# Altium PCB amp.PcbDoc (part 12 of 20) (continued)
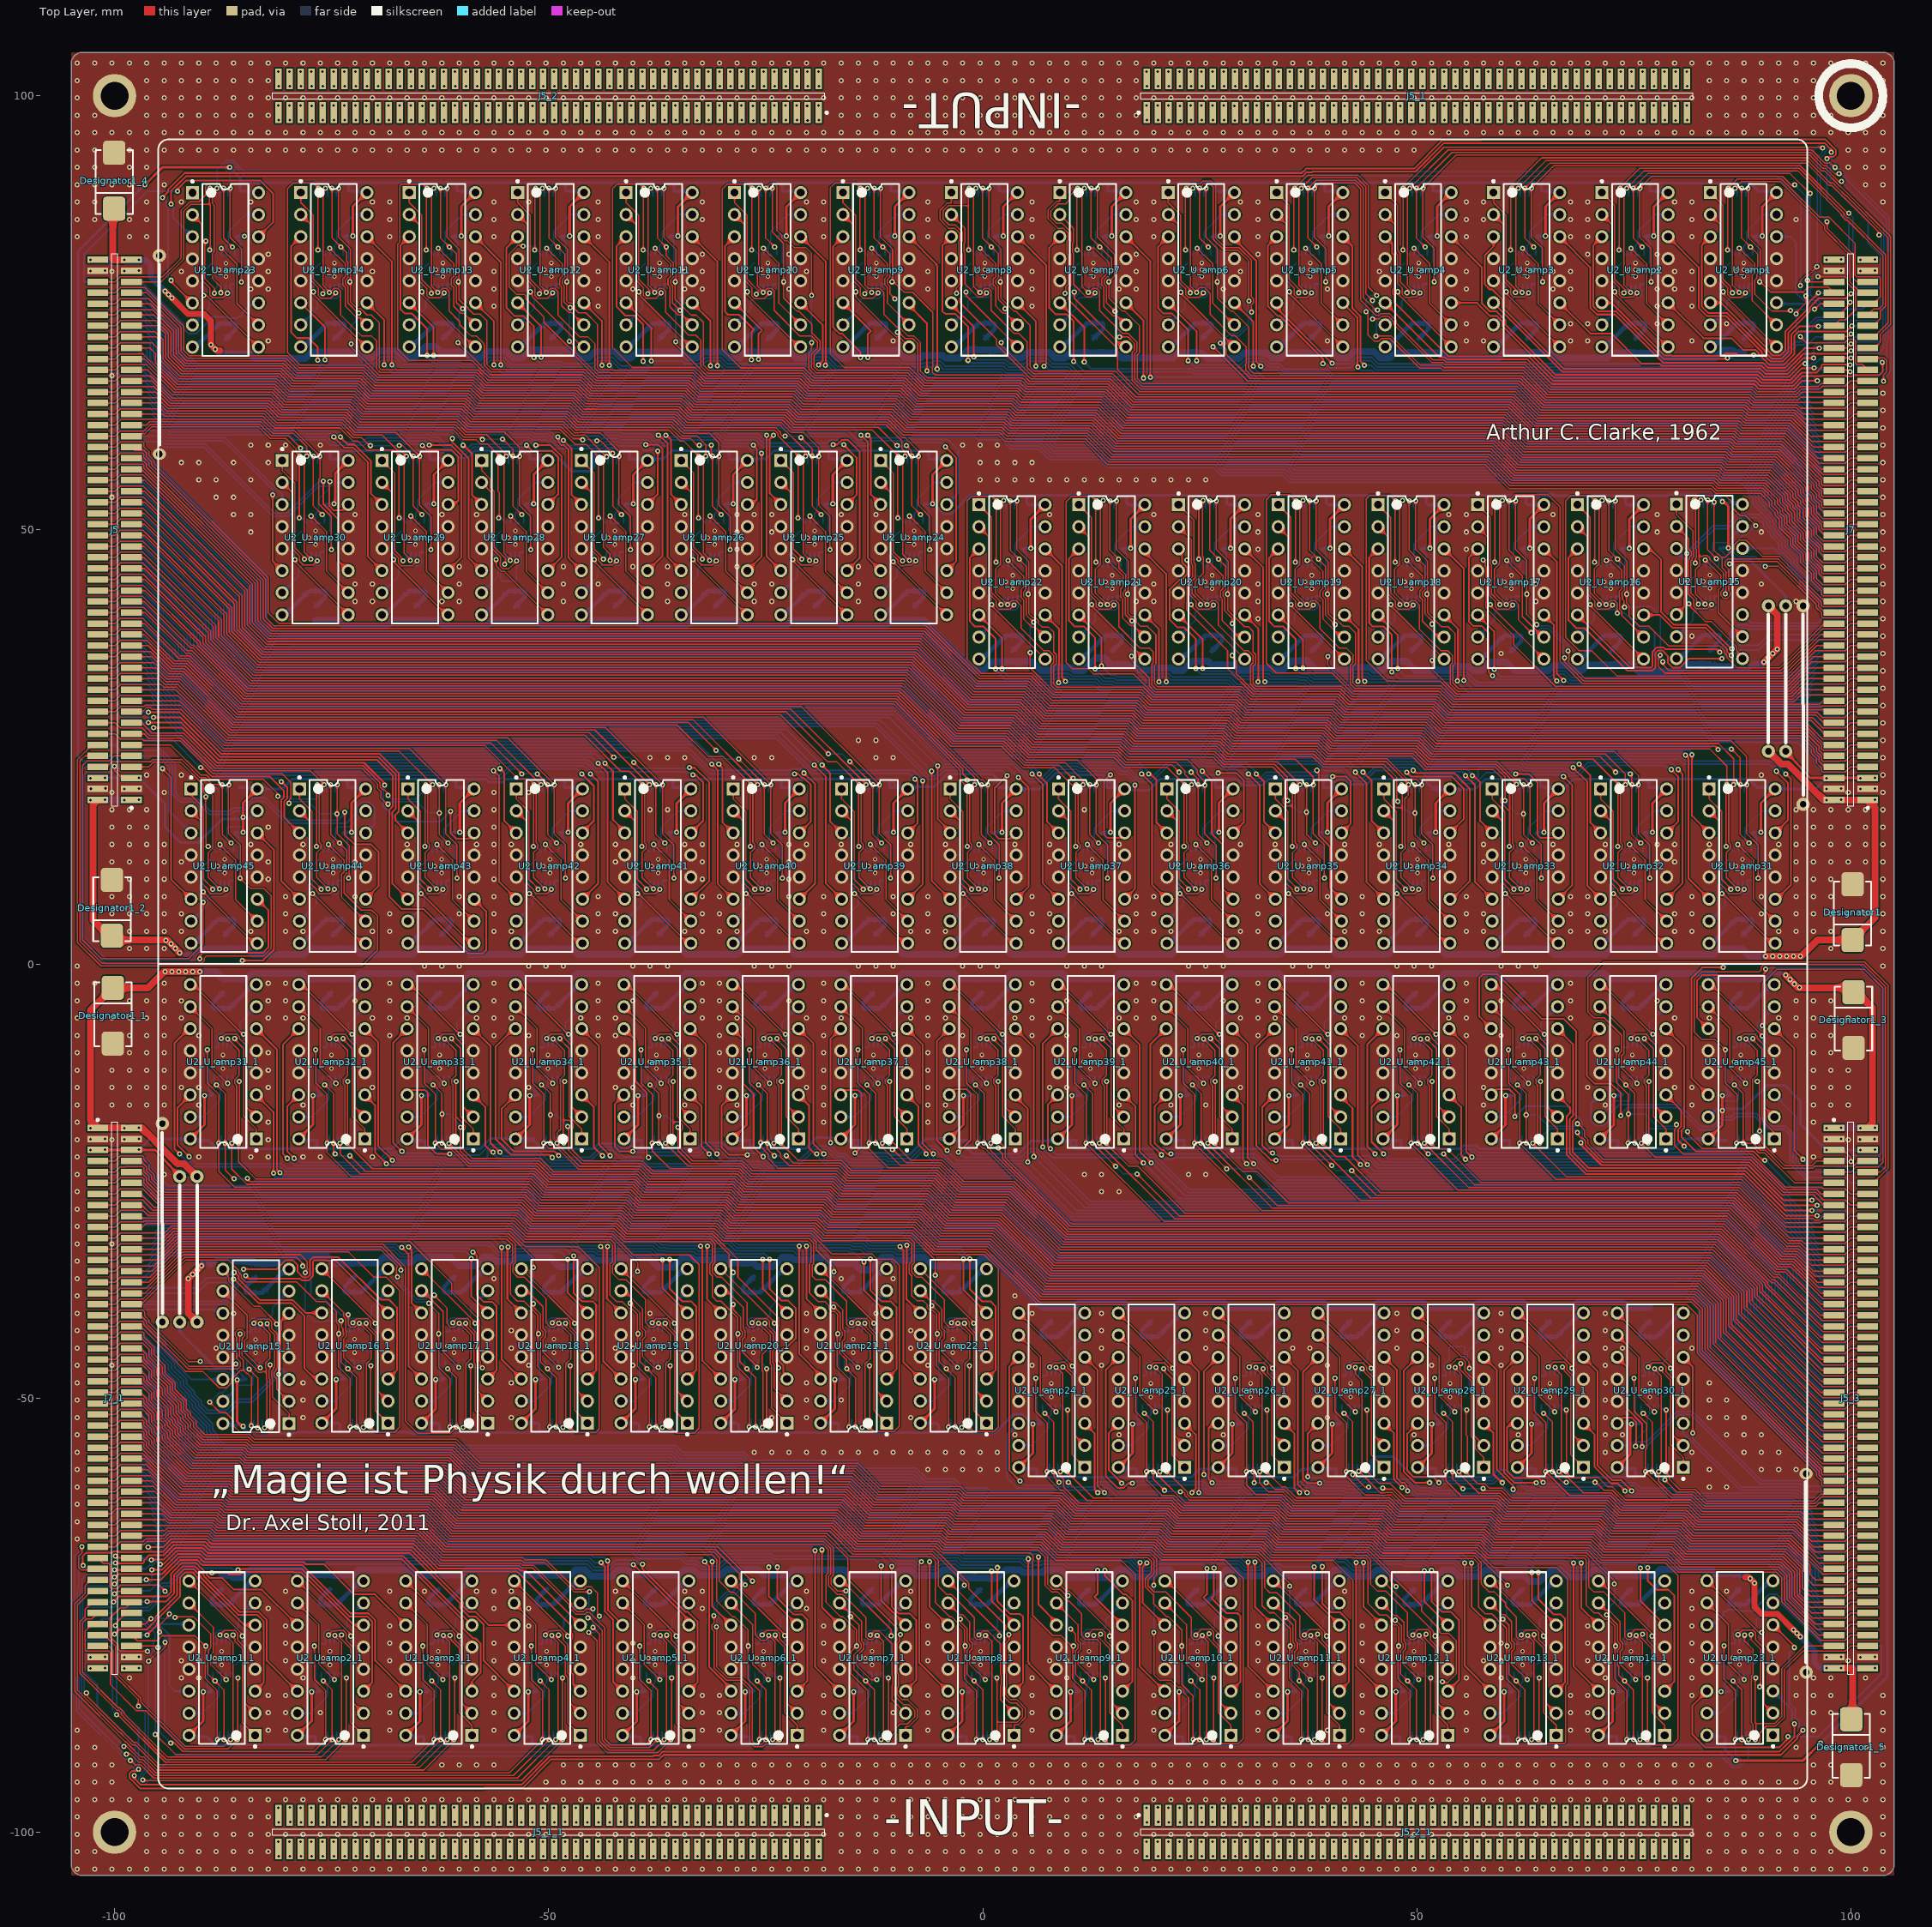
[diagram p0: Top Layer view]
## Nets (pads, with @x,y where several pads share a name; then routed paths per layer and width w, separated by ;. In a path a pad name is that pad's centre, name@x,y a point inside that pad or via, vN(x,y) a via of type N, cw(c..) or ccw(c..) an arc to the next point about the centre after c; other vN are vias at no path point) (continued)
NetJ7_21: J7.21 J7_1.21 R1_U_amp19.6 R1_U_amp19_1.6 U1_U_amp19.5 U1_U_amp19_1.5 | length 178.4
  Top Layer w0.15: J7_1.21@-101.95,-31.585 -99.938,-31.585 -99.343,-30.99 -94.233,-30.99 -93.43,-30.187 -54.225,-30.187 -52.699,-31.712 -42.889,-31.712 -42.335,-32.267 -42.335,-34.406 -42.635,-34.706 -42.635,-35.648 -41.885,-36.398 -41.072,-36.398 -38.869,-38.601 -38.869,-41.282 -38.299,-41.852 -37.864,-41.852 -37.39,-41.378 v1(-37.332,-41.378) -36.633,-42.076 -36.608,-42.076 -35.964,-42.721 -35.964,-45.49 -36.536,-46.063 -36.536,-53.043 -36.875,-53.382 v1(-36.875,-53.392) ; v1(36.875,53.392) 36.875,53.382 36.536,53.043 36.536,46.063 35.964,45.49 35.964,42.721 36.608,42.076 36.633,42.076 v1(37.332,41.378) 37.39,41.378 37.864,41.852 38.299,41.852 38.869,41.282 38.869,38.601 41.072,36.398 41.885,36.398 42.635,35.648 42.635,34.706 42.335,34.406 42.335,32.267 42.889,31.712 52.699,31.712 54.225,30.187 93.43,30.187 94.233,30.99 99.343,30.99 99.938,31.585 J7.21@101.95,31.585
  Bottom Layer w0.15: U1_U_amp19_1.5@-37.407,-42.345 -37.407,-41.453 v1(-37.332,-41.378) ; R1_U_amp19_1.6@-37.133,-52.495 -37.133,-53.105 -36.875,-53.363 v1(-36.875,-53.392) ; v1(36.875,53.392) 36.875,53.363 37.133,53.105 R1_U_amp19.6@37.133,52.495 ; v1(37.332,41.378) 37.407,41.453 U1_U_amp19.5@37.407,42.345
NetJ7_22: J7.22 J7_1.22 R1_U_amp19.8 R1_U_amp19_1.8 U1_U_amp19.1 U1_U_amp19_1.1 | length 163.9
  Top Layer w0.15: J7_1.22@-98.05,-31.585 -94.403,-31.585 -93.306,-30.487 -54.349,-30.487 -52.824,-32.012 -43.013,-32.012 -42.635,-32.391 -42.635,-34.282 -42.71,-34.357 -42.86,-34.507 -42.935,-34.582 -42.935,-38.142 -42.189,-38.887 -41.535,-38.887 -40.756,-39.666 -40.471,-39.666 -39.769,-40.368 -39.769,-42.522 v1(-39.694,-42.597) -39.769,-42.672 -39.769,-46.367 -38.383,-47.753 -38.383,-53.376 -38.402,-53.357 v1(-38.402,-53.34) ; v1(38.402,53.34) 38.402,53.357 38.383,53.376 38.383,47.753 39.769,46.367 39.769,42.672 v1(39.694,42.597) 39.769,42.522 39.769,40.368 40.471,39.666 40.756,39.666 41.535,38.887 42.189,38.887 42.935,38.142 42.935,34.582 42.86,34.507 42.71,34.357 42.635,34.282 42.635,32.391 43.013,32.012 52.824,32.012 54.349,30.487 93.306,30.487 94.403,31.585 J7.22@98.05,31.585
  Bottom Layer w0.15: v1(-39.694,-42.597) -39.694,-43.108 U1_U_amp19_1.1@-39.557,-43.245 ; v1(-38.402,-53.34) -38.402,-53.269 -38.133,-52.999 R1_U_amp19_1.8@-38.133,-52.495 ; R1_U_amp19.8@38.133,52.495 38.133,52.999 38.402,53.269 v1(38.402,53.34) ; U1_U_amp19.1@39.557,43.245 39.694,43.108 v1(39.694,42.597)
NetJ7_23: J7.23 J7_1.23 R1_U_amp18.5 R1_U_amp18_1.5 U1_U_amp18.9 U1_U_amp18_1.9 | length 184.2
  Top Layer w0.15: J7_1.23@-101.95,-32.855 -99.938,-32.855 -99.316,-32.233 -94.627,-32.233 -93.181,-30.787 -54.473,-30.787 -52.669,-32.592 -46.555,-32.592 -44.171,-34.976 -44.171,-53.569 -44.577,-53.975 -46.89,-53.975 -47.525,-53.34 -47.501,-53.316 v1(-47.501,-46.28) ; v1(47.501,46.28) 47.501,53.316 47.525,53.34 46.89,53.975 44.577,53.975 44.171,53.569 44.171,34.976 46.555,32.592 52.669,32.592 54.473,30.787 93.181,30.787 94.627,32.233 99.316,32.233 99.938,32.855 J7.23@101.95,32.855
  Bottom Layer w0.15: U1_U_amp18_1.9@-48.397,-45.645 -47.762,-46.28 v1(-47.501,-46.28) ; R1_U_amp18_1.5@-48.123,-52.495 -48.123,-52.847 -47.63,-53.34 v1(-47.581,-53.34) ; v1(47.501,46.28) 47.762,46.28 U1_U_amp18.9@48.397,45.645 ; v1(47.581,53.34) 47.63,53.34 48.123,52.847 R1_U_amp18.5@48.123,52.495
NetJ7_24: J7.24 J7_1.24 R1_U_amp18.7 R1_U_amp18_1.7 U1_U_amp18.13 U1_U_amp18_1.13 | length 142
  Top Layer w0.15: J7_1.24@-98.05,-32.855 -94.825,-32.855 -93.057,-31.087 -54.597,-31.087 -51.765,-33.919 v1(-51.765,-34.95) ; v1(-51.74,-39.141) -51.74,-39.53 -50.959,-40.311 -50.959,-42.08 -50.659,-42.38 -50.659,-42.815 -50.884,-43.04 -50.884,-43.053 -50.959,-43.128 -50.959,-45.819 v1(-50.143,-46.636) -49.127,-47.652 -49.13,-47.655 v1(-49.13,-53.34) ; v1(49.13,53.34) 49.13,47.655 49.127,47.652 v1(50.143,46.636) 50.959,45.819 50.959,43.128 50.884,43.053 50.884,43.04 50.659,42.815 50.659,42.38 50.959,42.08 50.959,40.311 51.74,39.53 v1(51.74,39.141) ; v1(51.765,34.95) 51.765,33.919 54.597,31.087 93.057,31.087 94.825,32.855 J7.24@98.05,32.855
  Bottom Layer w0.15: v1(-51.765,-34.95) -51.765,-39.116 v1(-51.74,-39.141) ; U1_U_amp18_1.13@-50.397,-45.645 -50.397,-46.382 v1(-50.143,-46.636) ; v1(-49.13,-53.34) -49.13,-53.381 -49.123,-53.388 R1_U_amp18_1.7@-49.123,-52.495 ; R1_U_amp18.7@49.123,52.495 49.123,53.388 49.13,53.381 v1(49.13,53.34) ; v1(50.143,46.636) 50.397,46.382 U1_U_amp18.13@50.397,45.645 ; v1(51.74,39.141) 51.765,39.116 v1(51.765,34.95)
NetJ7_25: J7.25 J7_1.25 R1_U_amp18.6 R1_U_amp18_1.6 U1_U_amp18.5 U1_U_amp18_1.5 | length 155.4
  Top Layer w0.15: J7_1.25@-101.95,-34.125 -99.938,-34.125 -99.343,-33.53 -95.076,-33.53 -92.933,-31.387 -54.722,-31.387 -53.848,-32.261 -53.848,-34.429 -54.125,-34.706 -54.125,-35.514 -53.554,-36.085 -52.789,-36.085 -50.292,-38.583 -50.292,-41.35 -49.789,-41.852 -49.355,-41.852 -48.88,-41.378 v1(-48.822,-41.378) -48.123,-42.076 -48.098,-42.076 -47.454,-42.721 -47.454,-45.49 -48.026,-46.063 -48.026,-53.043 -48.365,-53.382 v1(-48.365,-53.392) ; v1(48.365,53.392) 48.365,53.382 48.026,53.043 48.026,46.063 47.454,45.49 47.454,42.721 48.098,42.076 48.123,42.076 v1(48.822,41.378) 48.88,41.378 49.355,41.852 49.789,41.852 50.292,41.35 50.292,38.583 52.789,36.085 53.554,36.085 54.125,35.514 54.125,34.706 53.848,34.429 53.848,32.261 54.722,31.387 92.933,31.387 95.076,33.53 99.343,33.53 99.938,34.125 J7.25@101.95,34.125
  Bottom Layer w0.15: U1_U_amp18_1.5@-48.897,-42.345 -48.897,-41.453 v1(-48.822,-41.378) ; R1_U_amp18_1.6@-48.623,-52.495 -48.623,-53.105 -48.365,-53.363 v1(-48.365,-53.392) ; v1(48.365,53.392) 48.365,53.363 48.623,53.105 R1_U_amp18.6@48.623,52.495 ; v1(48.822,41.378) 48.897,41.453 U1_U_amp18.5@48.897,42.345
NetJ7_26: J7.26 J7_1.26 R1_U_amp18.8 R1_U_amp18_1.8 U1_U_amp18.1 U1_U_amp18_1.1 | length 140.8
  Top Layer w0.15: J7_1.26@-98.05,-34.125 -95.246,-34.125 -92.809,-31.687 -54.846,-31.687 -54.148,-32.385 -54.148,-32.82 -54.153,-32.825 -54.153,-34.31 -54.425,-34.582 -54.425,-38.031 -53.619,-38.837 -52.857,-38.837 -51.259,-40.435 -51.259,-42.522 v1(-51.184,-42.597) -51.259,-42.672 -51.259,-46.367 -49.873,-47.753 -49.873,-53.376 -49.892,-53.357 v1(-49.892,-53.34) ; v1(49.892,53.34) 49.892,53.357 49.873,53.376 49.873,47.753 51.259,46.367 51.259,42.672 v1(51.184,42.597) 51.259,42.522 51.259,40.435 52.857,38.837 53.619,38.837 54.425,38.031 54.425,34.582 54.153,34.31 54.153,32.825 54.148,32.82 54.148,32.385 54.846,31.687 92.809,31.687 95.246,34.125 J7.26@98.05,34.125
  Bottom Layer w0.15: v1(-51.184,-42.597) -51.184,-43.108 U1_U_amp18_1.1@-51.047,-43.245 ; v1(-49.892,-53.34) -49.892,-53.269 -49.623,-52.999 R1_U_amp18_1.8@-49.623,-52.495 ; R1_U_amp18.8@49.623,52.495 49.623,52.999 49.892,53.269 v1(49.892,53.34) ; U1_U_amp18.1@51.047,43.245 51.184,43.108 v1(51.184,42.597)
NetJ7_27: J7.27 J7_1.27 R1_U_amp17.5 R1_U_amp17_1.5 U1_U_amp17.9 U1_U_amp17_1.9 | length 132.6
  Top Layer w0.15: J7_1.27@-101.95,-35.395 -99.938,-35.395 -99.343,-34.8 -95.497,-34.8 -92.684,-31.987 -65.955,-31.987 -61.189,-36.754 -61.189,-37.795 -57.995,-40.989 -57.995,-41.151 -57.962,-41.185 -57.962,-41.619 -57.995,-41.653 -57.995,-45.686 -57.866,-45.814 -57.866,-46.401 -57.76,-46.507 v1(-57.633,-46.507) ; v1(-59.071,-53.34) -59.015,-53.34 -58.991,-53.316 v1(-58.991,-46.28) ; v1(57.633,46.507) 57.76,46.507 57.866,46.401 57.866,45.814 57.995,45.686 57.995,41.653 57.962,41.619 57.962,41.185 57.995,41.151 57.995,40.989 61.189,37.795 61.189,36.754 65.955,31.987 92.684,31.987 95.497,34.8 99.343,34.8 99.938,35.395 J7.27@101.95,35.395 ; v1(58.991,46.28) 58.991,53.316 59.015,53.34 v1(59.071,53.34)
  Bottom Layer w0.15: U1_U_amp17_1.9@-59.887,-45.645 -59.252,-46.28 v1(-58.991,-46.28) -58.764,-46.507 v1(-57.633,-46.507) ; R1_U_amp17_1.5@-59.613,-52.495 -59.613,-52.847 -59.12,-53.34 v1(-59.071,-53.34) ; v1(57.633,46.507) 58.764,46.507 v1(58.991,46.28) 59.252,46.28 U1_U_amp17.9@59.887,45.645 ; v1(59.071,53.34) 59.12,53.34 59.613,52.847 R1_U_amp17.5@59.613,52.495
NetJ7_28: J7.28 J7_1.28 R1_U_amp17.7 R1_U_amp17_1.7 U1_U_amp17.13 U1_U_amp17_1.13 | length 135.2
  Top Layer w0.15: J7_1.28@-98.05,-35.395 -95.668,-35.395 -92.56,-32.287 -69.106,-32.287 -66.48,-34.913 -66.48,-52.671 -65.1,-54.051 -61.332,-54.051 v1(-60.62,-53.34) -60.62,-47.655 -60.617,-47.652 v1(-61.633,-46.636) ; v1(61.633,46.636) 60.617,47.652 60.62,47.655 v1(60.62,53.34) 61.332,54.051 65.1,54.051 66.48,52.671 66.48,34.913 69.106,32.287 92.56,32.287 95.668,35.395 J7.28@98.05,35.395
  Bottom Layer w0.15: U1_U_amp17_1.13@-61.887,-45.645 -61.887,-46.382 v1(-61.633,-46.636) ; v1(-60.62,-53.34) -60.62,-53.381 -60.613,-53.388 R1_U_amp17_1.7@-60.613,-52.495 ; R1_U_amp17.7@60.613,52.495 60.613,53.388 60.62,53.381 v1(60.62,53.34) ; v1(61.633,46.636) 61.887,46.382 U1_U_amp17.13@61.887,45.645
NetJ7_29: J7.29 J7_1.29 R1_U_amp17.6 R1_U_amp17_1.6 U1_U_amp17.5 U1_U_amp17_1.5 | length 129.9
  Top Layer w0.15: J7_1.29@-101.95,-36.665 -99.938,-36.665 -99.343,-36.07 -95.919,-36.07 -92.436,-32.587 -69.23,-32.587 -67.005,-34.812 v1(-67.005,-35.255) ; v1(-63.195,-38.151) -61.697,-39.649 -61.697,-41.435 -61.28,-41.852 -60.845,-41.852 -60.371,-41.378 v1(-60.312,-41.378) -59.614,-42.076 -59.588,-42.076 -58.944,-42.721 -58.944,-45.49 -59.516,-46.063 -59.516,-53.043 -59.855,-53.382 v1(-59.855,-53.392) ; v1(59.855,53.392) 59.855,53.382 59.516,53.043 59.516,46.063 58.944,45.49 58.944,42.721 59.588,42.076 59.614,42.076 v1(60.312,41.378) 60.371,41.378 60.845,41.852 61.28,41.852 61.697,41.435 61.697,39.649 v1(63.195,38.151) ; v1(67.005,35.255) 67.005,34.812 69.23,32.587 92.436,32.587 95.919,36.07 99.343,36.07 99.938,36.665 J7.29@101.95,36.665
  Bottom Layer w0.15: v1(-67.005,-35.255) -66.912,-35.348 -66.912,-36.88 -65.167,-38.625 -64.236,-38.625 -63.762,-38.151 v1(-63.195,-38.151) ; U1_U_amp17_1.5@-60.387,-42.345 -60.387,-41.453 v1(-60.312,-41.378) ; R1_U_amp17_1.6@-60.113,-52.495 -60.113,-53.105 -59.855,-53.363 v1(-59.855,-53.392) ; v1(59.855,53.392) 59.855,53.363 60.113,53.105 R1_U_amp17.6@60.113,52.495 ; v1(60.312,41.378) 60.387,41.453 U1_U_amp17.5@60.387,42.345 ; v1(63.195,38.151) 63.762,38.151 64.236,38.625 65.167,38.625 66.912,36.88 66.912,35.348 v1(67.005,35.255)
NetJ7_30: J7.30 J7_1.30 R1_U_amp17.8 R1_U_amp17_1.8 U1_U_amp17.1 U1_U_amp17_1.1 | length 113.2
  Top Layer w0.15: J7_1.30@-98.05,-36.665 -96.089,-36.665 -92.311,-32.887 -69.354,-32.887 -67.458,-34.784 -67.458,-34.94 -67.53,-35.012 -67.53,-35.975 v1(-67.437,-36.068) ; v1(-63.83,-39.091) -62.674,-40.246 v1(-62.674,-42.597) -62.674,-46.442 -61.363,-47.753 -61.363,-53.376 -61.382,-53.357 v1(-61.382,-53.34) ; v1(61.382,53.34) 61.382,53.357 61.363,53.376 61.363,47.753 62.674,46.442 v1(62.674,42.597) 62.674,40.246 v1(63.83,39.091) ; v1(67.437,36.068) 67.53,35.975 67.53,35.012 67.458,34.94 67.458,34.784 69.354,32.887 92.311,32.887 96.089,36.665 J7.30@98.05,36.665
  Bottom Layer w0.15: v1(-67.437,-36.068) -67.437,-36.779 -65.291,-38.925 -64.112,-38.925 -64.099,-38.913 -64.008,-38.913 v1(-63.83,-39.091) ; v1(-62.674,-42.597) -62.674,-43.108 U1_U_amp17_1.1@-62.537,-43.245 ; v1(-61.382,-53.34) -61.382,-53.269 -61.113,-52.999 R1_U_amp17_1.8@-61.113,-52.495 ; R1_U_amp17.8@61.113,52.495 61.113,52.999 61.382,53.269 v1(61.382,53.34) ; U1_U_amp17.1@62.537,43.245 62.674,43.108 v1(62.674,42.597) ; v1(63.83,39.091) 64.008,38.913 64.099,38.913 64.112,38.925 65.291,38.925 67.437,36.779 v1(67.437,36.068)
NetJ7_31: J7.31 J7_1.31 R1_U_amp16.5 R1_U_amp16_1.5 U1_U_amp16.9 U1_U_amp16_1.9 | length 135
  Top Layer w0.15: J7_1.31@-101.95,-37.935 -99.938,-37.935 -99.343,-37.34 -96.34,-37.34 -92.187,-33.187 -73.036,-33.187 -70.138,-36.085 -68.69,-36.085 -67.158,-37.617 -67.158,-53.365 -67.742,-53.95 -69.896,-53.95 -70.506,-53.34 -70.482,-53.316 v1(-70.482,-46.28) ; v1(70.482,46.28) 70.482,53.316 70.506,53.34 69.896,53.95 67.742,53.95 67.158,53.365 67.158,37.617 68.69,36.085 70.138,36.085 73.036,33.187 92.187,33.187 96.34,37.34 99.343,37.34 99.938,37.935 J7.31@101.95,37.935
  Bottom Layer w0.15: U1_U_amp16_1.9@-71.377,-45.645 -70.742,-46.28 v1(-70.482,-46.28) ; R1_U_amp16_1.5@-71.103,-52.495 -71.103,-52.847 -70.61,-53.34 v1(-70.561,-53.34) ; v1(70.482,46.28) 70.742,46.28 U1_U_amp16.9@71.377,45.645 ; v1(70.561,53.34) 70.61,53.34 71.103,52.847 R1_U_amp16.5@71.103,52.495
NetJ7_32: J7.32 J7_1.32 R1_U_amp16.7 R1_U_amp16_1.7 U1_U_amp16.13 U1_U_amp16_1.13 | length 96.4
  Top Layer w0.15: J7_1.32@-98.05,-37.935 -96.511,-37.935 -92.063,-33.487 -78.597,-33.487 -77.805,-34.279 -77.805,-35.108 -78.054,-35.357 v1(-78.054,-35.56) ; v1(-73.914,-41.097) -73.865,-41.147 -73.865,-41.832 -73.689,-42.008 -73.689,-42.33 -73.64,-42.38 -73.64,-42.815 -73.927,-43.102 -73.927,-45.832 v1(-73.123,-46.636) -72.107,-47.652 -72.111,-47.655 v1(-72.111,-53.34) ; v1(72.111,53.34) 72.111,47.655 72.107,47.652 v1(73.123,46.636) 73.927,45.832 73.927,43.102 73.64,42.815 73.64,42.38 73.689,42.33 73.689,42.008 73.865,41.832 73.865,41.147 v1(73.914,41.097) ; v1(78.054,35.56) 78.054,35.357 77.805,35.108 77.805,34.279 78.597,33.487 92.063,33.487 96.511,37.935 J7.32@98.05,37.935
  Bottom Layer w0.15: v1(-78.054,-35.56) -78.054,-40.056 -76.945,-41.165 -75.726,-41.165 -75.633,-41.072 -75.608,-41.097 v1(-73.914,-41.097) ; U1_U_amp16_1.13@-73.377,-45.645 -73.377,-46.382 v1(-73.123,-46.636) ; v1(-72.111,-53.34) -72.111,-53.381 -72.103,-53.388 R1_U_amp16_1.7@-72.103,-52.495 ; R1_U_amp16.7@72.103,52.495 72.103,53.388 72.111,53.381 v1(72.111,53.34) ; v1(73.123,46.636) 73.377,46.382 U1_U_amp16.13@73.377,45.645 ; v1(73.914,41.097) 75.608,41.097 75.633,41.072 75.726,41.165 76.945,41.165 78.054,40.056 v1(78.054,35.56)
NetJ7_33: J7.33 J7_1.33 R1_U_amp16.6 R1_U_amp16_1.6 U1_U_amp16.5 U1_U_amp16_1.5 | length 107.5
  Top Layer w0.15: J7_1.33@-101.95,-39.205 -99.938,-39.205 -99.343,-38.61 -96.761,-38.61 -91.939,-33.787 -79.04,-33.787 -78.232,-34.595 v1@-78.435,-34.798 ; v1@-78.486,-34.849 v1@-78.435,-34.798 ; v1(-78.334,-34.798) v1@-78.435,-34.798 ; v1(-73.101,-40.386) -73.077,-40.41 -73.077,-41.545 -72.77,-41.852 -72.335,-41.852 -71.861,-41.378 v1(-71.802,-41.378) -71.104,-42.076 -71.078,-42.076 -70.434,-42.721 -70.434,-45.49 -71.007,-46.063 -71.007,-53.043 -71.345,-53.382 v1(-71.345,-53.392) ; v1(71.345,53.392) 71.345,53.382 71.007,53.043 71.007,46.063 70.434,45.49 70.434,42.721 71.078,42.076 71.104,42.076 v1(71.802,41.378) 71.861,41.378 72.335,41.852 72.77,41.852 73.077,41.545 73.077,40.41 v1(73.101,40.386) ; v1(78.334,34.798) v1@78.435,34.798 ; v1@78.486,34.849 v1@78.435,34.798 ; J7.33@101.95,39.205 99.938,39.205 99.343,38.61 96.761,38.61 91.939,33.787 79.04,33.787 78.232,34.595 v1@78.435,34.798
  Bottom Layer w0.15: v1(-78.334,-34.798) -78.277,-34.798 -78.04,-35.035 -77.837,-35.035 -77.394,-35.478 -77.394,-38.252 -77.021,-38.625 -75.751,-38.625 -73.914,-40.462 -73.838,-40.386 v1(-73.101,-40.386) ; U1_U_amp16_1.5@-71.877,-42.345 -71.877,-41.453 v1(-71.802,-41.378) ; R1_U_amp16_1.6@-71.603,-52.495 -71.603,-53.105 -71.345,-53.363 v1(-71.345,-53.392) ; v1(71.345,53.392) 71.345,53.363 71.603,53.105 R1_U_amp16.6@71.603,52.495 ; v1(71.802,41.378) 71.877,41.453 U1_U_amp16.5@71.877,42.345 ; v1(73.101,40.386) 73.838,40.386 73.914,40.462 75.751,38.625 77.021,38.625 77.394,38.252 77.394,35.478 77.837,35.035 78.04,35.035 78.277,34.798 v1(78.334,34.798)
NetJ7_34: J7.34 J7_1.34 R1_U_amp16.8 R1_U_amp16_1.8 U1_U_amp16.1 U1_U_amp16_1.1 | length 88.4
  Top Layer w0.15: J7_1.34@-98.05,-39.205 -96.932,-39.205 -91.814,-34.087 -86.938,-34.087 -85.708,-35.317 -85.708,-35.526 -85.412,-35.822 -85.412,-36.133 -84.943,-36.601 -79.045,-36.601 -76.759,-38.887 -75.667,-38.887 -74.439,-40.115 -74.439,-41.315 -74.165,-41.589 v1(-74.165,-42.597) -74.227,-42.66 -74.227,-46.379 -72.853,-47.753 -72.853,-53.376 -72.873,-53.357 v1(-72.873,-53.34) ; v1(72.873,53.34) 72.873,53.357 72.853,53.376 72.853,47.753 74.227,46.379 74.227,42.66 v1(74.165,42.597) 74.165,41.589 74.439,41.315 74.439,40.115 75.667,38.887 76.759,38.887 79.045,36.601 84.943,36.601 85.412,36.133 85.412,35.822 85.708,35.526 85.708,35.317 86.938,34.087 91.814,34.087 96.932,39.205 J7.34@98.05,39.205
  Bottom Layer w0.15: v1(-74.165,-42.597) -74.165,-43.108 U1_U_amp16_1.1@-74.027,-43.245 ; v1(-72.873,-53.34) -72.873,-53.269 -72.603,-52.999 R1_U_amp16_1.8@-72.603,-52.495 ; R1_U_amp16.8@72.603,52.495 72.603,52.999 72.873,53.269 v1(72.873,53.34) ; U1_U_amp16.1@74.027,43.245 74.165,43.108 v1(74.165,42.597)
NetJ7_35: J7.35 J7_1.35 pad.2@-94.5,-41.25 R1_U_amp15.5 R1_U_amp15_1.5 U1_U_amp15.9 U1_U_amp15_1.9 | length 84.7
  Top Layer w0.15: J7_1.35@-101.95,-40.475 -99.938,-40.475 -99.343,-39.88 -96.757,-39.88 -96.522,-40.115 -96.522,-40.536 -96.025,-41.033 -96.025,-41.302 -91.531,-45.796 v1(-90.145,-45.796) ; v1(-89.052,-50.47) -87.884,-51.638 -87.249,-51.638 -86.36,-52.527 -86.36,-53.137 -85.601,-53.895 -83.788,-53.895 -83.723,-53.961 -82.481,-53.961 v1(-81.956,-53.436) -81.88,-53.359 -82.127,-53.112 -82.127,-47.842 -82.227,-47.743 -82.227,-46.811 -82.102,-46.686 v1(-82.102,-46.177) ; v1(82.102,46.177) 82.102,46.686 82.227,46.811 82.227,47.743 82.127,47.842 82.127,53.112 81.88,53.359 v1(81.956,53.436) 82.481,53.961 83.723,53.961 83.788,53.895 85.601,53.895 86.36,53.137 86.36,52.527 87.249,51.638 87.884,51.638 v1(89.052,50.47) ; v1(90.145,45.796) 91.658,45.796 95.992,41.463 95.992,41.067 96.621,40.437 96.621,40.016 96.757,39.88 99.343,39.88 99.938,40.475 J7.35@101.95,40.475
  Bottom Layer w0.15: v1(-90.145,-45.796) -89.062,-46.879 -87.125,-46.879 -86.886,-47.117 -86.792,-47.117 -86.538,-47.371 -86.538,-48.362 -87.595,-49.419 -87.932,-49.419 -88.704,-50.19 -88.773,-50.19 v1(-89.052,-50.47) ; U1_U_amp15_1.9@-82.775,-45.689 -82.14,-46.324 -82.102,-46.285 v1(-82.102,-46.177) ; R1_U_amp15_1.5@-82.501,-52.539 -82.501,-52.89 v1(-81.956,-53.436) ; v1(81.956,53.436) 82.501,52.89 R1_U_amp15.5@82.501,52.539 ; v1(82.102,46.177) 82.102,46.285 82.14,46.324 U1_U_amp15.9@82.775,45.689 ; v1(89.052,50.47) 88.773,50.19 88.704,50.19 87.932,49.419 87.595,49.419 86.538,48.362 86.538,47.371 86.792,47.117 86.886,47.117 87.125,46.879 89.062,46.879 v1(90.145,45.796)
NetJ7_36: J7.36 J7_1.36 R1_U_amp15.7 R1_U_amp15_1.7 U1_U_amp15.13 U1_U_amp15_1.13 | length 51.6
  Top Layer w0.15: J7_1.36@-98.05,-40.475 -98.009,-40.516 J7_1.36@-97.048,-40.516 ; J7_1.36@-97.265,-40.733 J7_1.36@-97.048,-40.516 ; v1(-86.03,-46.101) -86.258,-46.33 -91.422,-46.33 -96.325,-41.427 -96.325,-41.158 -96.967,-40.516 J7_1.36@-97.048,-40.516 ; v1(-84.521,-46.679) -83.505,-47.695 v1(-83.505,-53.436) ; v1(83.505,53.436) 83.505,47.695 v1(84.521,46.679) ; v1(86.03,46.101) 86.258,46.33 91.549,46.33 96.292,41.587 96.292,41.191 96.843,40.64 97.282,40.64 97.447,40.475 J7.36@98.05,40.475
  Bottom Layer w0.15: v1(-86.03,-46.101) -85.452,-46.679 v1(-84.521,-46.679) -84.775,-46.425 U1_U_amp15_1.13@-84.775,-45.689 ; v1(-83.505,-53.436) -83.501,-53.432 R1_U_amp15_1.7@-83.501,-52.539 ; R1_U_amp15.7@83.501,52.539 83.501,53.432 v1(83.505,53.436) ; U1_U_amp15.13@84.775,45.689 84.775,46.425 v1(84.521,46.679) 85.452,46.679 v1(86.03,46.101)
NetJ7_37: J7.37 J7_1.37 R1_U_amp15.6 R1_U_amp15_1.6 U1_U_amp15.5 U1_U_amp15_1.5 | length 92.2
  Top Layer w0.15: J7_1.37@-101.95,-41.745 -99.938,-41.745 -99.343,-41.15 -96.757,-41.15 -96.625,-41.282 -96.625,-41.551 -91.546,-46.63 -85.816,-46.63 -85.505,-46.318 -85.505,-45.884 -85.938,-45.451 -85.938,-43.008 -86.088,-42.858 -86.088,-42.423 -85.78,-42.116 -85.345,-42.116 -85.038,-42.423 -85.038,-42.858 -85.263,-43.083 -85.263,-43.205 -85.338,-43.28 -85.338,-45.04 -83.76,-46.618 -83.76,-46.744 -83.453,-47.052 -83.018,-47.052 -82.931,-46.965 -82.527,-46.965 ; v1@-83.201,-41.396 v1(-83.201,-41.421) -83.201,-41.527 -82.102,-42.626 -82.102,-45.434 -82.627,-45.959 -82.627,-46.52 -82.527,-46.62 -82.527,-46.965 ; v1(-82.743,-53.436) -82.464,-53.156 -82.464,-47.93 -82.527,-47.867 -82.527,-46.965 ; v1(82.743,53.436) 82.464,53.156 82.464,47.93 82.527,47.867 82.527,46.965 ; v1@83.201,41.396 v1(83.201,41.421) 83.201,41.527 82.102,42.626 82.102,45.434 82.627,45.959 82.627,46.52 82.527,46.62 82.527,46.965 ; J7.37@101.95,41.745 99.938,41.745 99.343,41.15 96.757,41.15 96.592,41.315 96.592,41.711 91.673,46.63 85.816,46.63 85.505,46.318 85.505,45.884 85.938,45.451 85.938,43.008 86.088,42.858 86.088,42.423 85.78,42.116 85.345,42.116 85.038,42.423 85.038,42.858 85.263,43.083 85.263,43.205 85.338,43.28 85.338,45.04 83.76,46.618 83.76,46.744 83.453,47.052 83.018,47.052 82.931,46.965 82.527,46.965
  Bottom Layer w0.15: U1_U_amp15_1.5@-83.275,-42.389 -83.275,-41.496 v1(-83.201,-41.421) ; R1_U_amp15_1.6@-83.001,-52.539 -83.001,-53.178 v1(-82.743,-53.436) ; v1(82.743,53.436) 83.001,53.178 R1_U_amp15.6@83.001,52.539 ; v1(83.201,41.421) 83.275,41.496 U1_U_amp15.5@83.275,42.389
NetJ7_38: J7.38 J7_1.38 R1_U_amp15.8 R1_U_amp15_1.8 U1_U_amp15.1 U1_U_amp15_1.1 | length 60.7
  Top Layer w0.15: J7_1.38@-98.05,-41.745 -97.008,-41.745 -91.823,-46.93 -89.831,-46.93 -87.932,-48.829 -87.125,-48.829 -86.553,-48.257 -86.553,-47.842 -85.575,-46.863 -85.192,-46.863 -85.192,-46.751 ; v1(-85.563,-42.641) -85.638,-42.716 -85.638,-45.165 -85.192,-45.611 -85.192,-46.751 ; v1(-84.277,-53.188) -84.277,-53.394 -84.251,-53.42 -84.251,-47.6 -84.647,-47.204 -84.739,-47.204 -85.192,-46.751 ; v1(84.277,53.188) 84.277,53.394 84.251,53.42 84.251,47.6 84.647,47.204 84.739,47.204 85.192,46.751 ; v1(85.563,42.641) 85.638,42.716 85.638,45.165 85.192,45.611 85.192,46.751 ; J7.38@98.05,41.745 97.008,41.745 91.823,46.93 89.831,46.93 87.932,48.829 87.125,48.829 86.553,48.257 86.553,47.842 85.575,46.863 85.192,46.863 85.192,46.751
  Bottom Layer w0.15: v1(-85.563,-42.641) -85.563,-43.151 U1_U_amp15_1.1@-85.425,-43.289 ; v1(-84.277,-53.188) -84.277,-53.299 -84.267,-53.309 -84.001,-53.043 R1_U_amp15_1.8@-84.001,-52.539 ; R1_U_amp15.8@84.001,52.539 84.001,53.043 84.267,53.309 84.277,53.299 v1(84.277,53.188) ; U1_U_amp15.1@85.425,43.289 85.563,43.151 v1(85.563,42.641)
NetJ7_39: J7.39 J7_1.39 R1_U_amp14.5 R1_U_amp14_1.5 U1_U_amp14.9 U1_U_amp14_1.9 | length 458
  Top Layer w0.15: J7_1.39@-101.95,-43.015 -99.938,-43.015 -99.343,-42.42 -96.757,-42.42 -96.625,-42.552 -96.625,-42.973 -95.425,-44.173 -95.425,-45.016 -94.225,-46.216 -94.225,-47.059 -93.025,-48.259 -93.025,-49.021 -91.732,-50.314 -91.732,-51.238 -91.225,-51.745 -91.225,-52.053 -90.625,-52.653 -90.625,-53.188 -89.618,-54.195 -84.451,-54.195 -83.884,-54.762 -60.612,-54.762 -57.851,-57.523 -14.384,-57.523 -11.706,-60.201 -2.541,-60.201 -1.833,-60.908 9.104,-60.908 10.898,-62.702 21.411,-62.702 22.552,-63.843 33.383,-63.843 34.642,-65.102 44.069,-65.102 44.077,-65.111 45.425,-65.111 46.676,-66.361 57.374,-66.361 58.54,-67.528 69.664,-67.528 71.097,-68.961 78.613,-68.961 80.086,-70.434 80.086,-89.306 79.426,-89.967 77.119,-89.967 v1(76.505,-89.352) 76.581,-89.276 v1(76.581,-82.24) ; v1(-76.581,82.24) -76.581,89.276 v1(-76.505,89.352) -77.119,89.967 -79.426,89.967 -80.086,89.306 -80.086,70.434 -78.613,68.961 -71.097,68.961 -69.664,67.528 -58.54,67.528 -57.374,66.361 -46.676,66.361 -45.425,65.111 -44.077,65.111 -44.069,65.102 -34.642,65.102 -33.383,63.843 -22.552,63.843 -21.411,62.702 -10.898,62.702 -9.104,60.908 1.833,60.908 2.541,60.201 11.706,60.201 14.384,57.523 57.851,57.523 60.612,54.762 83.884,54.762 84.451,54.195 89.618,54.195 90.625,53.188 90.625,52.653 91.225,52.053 91.225,51.745 91.732,51.238 91.732,50.314 93.025,49.021 93.025,48.259 94.225,47.059 94.225,46.216 95.425,45.016 95.425,44.173 96.625,42.973 96.625,42.552 96.757,42.42 99.343,42.42 99.938,43.015 J7.39@101.95,43.015
  Bottom Layer w0.15: v1(-76.581,82.24) -76.32,82.24 U1_U_amp14.9@-75.685,81.605 ; v1(-76.505,89.352) -75.959,88.807 R1_U_amp14.5@-75.959,88.455 ; U1_U_amp14_1.9@75.685,-81.605 76.32,-82.24 v1(76.581,-82.24) ; R1_U_amp14_1.5@75.959,-88.455 75.959,-88.807 v1(76.505,-89.352)
NetJ7_40: J7.40 J7_1.40 R1_U_amp14.7 R1_U_amp14_1.7 U1_U_amp14.13 U1_U_amp14_1.13 | length 414.2
  Top Layer w0.15: J7_1.40@-98.05,-43.015 -97.008,-43.015 -95.725,-44.298 -95.725,-45.14 -94.525,-46.34 -94.525,-47.183 -93.325,-48.383 -93.325,-49.146 -92.032,-50.438 -92.032,-51.362 -91.525,-51.869 -91.525,-52.177 -90.925,-52.777 -90.925,-53.312 -89.742,-54.495 -84.575,-54.495 -83.996,-55.074 -60.724,-55.074 -57.976,-57.823 -14.508,-57.823 -11.83,-60.501 -2.665,-60.501 -1.957,-61.208 8.98,-61.208 10.774,-63.002 21.287,-63.002 22.428,-64.143 33.259,-64.143 34.518,-65.402 43.945,-65.402 43.953,-65.411 45.3,-65.411 46.551,-66.661 57.249,-66.661 58.416,-67.828 69.54,-67.828 72.771,-71.059 v1(72.771,-71.399) ; v1(-74.955,89.352) -74.955,83.612 v1(-73.939,82.596) -73.279,81.936 -73.279,80.921 -73.123,80.765 -73.123,79.075 -73.423,78.775 -73.423,78.34 -73.123,78.04 -73.123,76.128 -71.951,74.955 v1(-71.882,74.955) ; v1(-72.771,71.399) -72.771,71.059 -69.54,67.828 -58.416,67.828 -57.249,66.661 -46.551,66.661 -45.3,65.411 -43.953,65.411 -43.945,65.402 -34.518,65.402 -33.259,64.143 -22.428,64.143 -21.287,63.002 -10.774,63.002 -8.98,61.208 1.957,61.208 2.665,60.501 11.83,60.501 14.508,57.823 57.976,57.823 60.724,55.074 83.996,55.074 84.575,54.495 89.742,54.495 90.925,53.312 90.925,52.777 91.525,52.177 91.525,51.869 92.032,51.362 92.032,50.438 93.325,49.146 93.325,48.383 94.525,47.183 94.525,46.34 95.725,45.14 95.725,44.298 97.008,43.015 J7.40@98.05,43.015 ; v1(71.882,-74.955) 71.951,-74.955 73.123,-76.128 73.123,-78.04 73.423,-78.34 73.423,-78.775 73.123,-79.075 73.123,-80.765 73.279,-80.921 73.279,-81.936 v1(73.939,-82.596) 74.955,-83.612 v1(74.955,-89.352)
  Bottom Layer w0.15: R1_U_amp14.7@-74.959,88.455 -74.959,89.348 v1(-74.955,89.352) ; v1(-73.939,82.596) -73.685,82.342 U1_U_amp14.13@-73.685,81.605 ; v1(-72.771,71.399) -72.771,73.482 -72.238,74.016 -72.238,74.6 v1(-71.882,74.955) ; v1(71.882,-74.955) 72.238,-74.6 72.238,-74.016 72.771,-73.482 v1(72.771,-71.399) ; U1_U_amp14_1.13@73.685,-81.605 73.685,-82.342 v1(73.939,-82.596) ; v1(74.955,-89.352) 74.959,-89.348 R1_U_amp14_1.7@74.959,-88.455
NetJ7_41: J7.41 J7_1.41 R1_U_amp14.6 R1_U_amp14_1.6 U1_U_amp14.5 U1_U_amp14_1.5 | length 424.4
  Top Layer w0.15: J7_1.41@-101.95,-44.285 -99.938,-44.285 -99.343,-43.69 -96.757,-43.69 -96.025,-44.422 -96.025,-45.265 -94.825,-46.465 -94.825,-47.308 -93.625,-48.508 -93.625,-49.27 -92.332,-50.562 -92.332,-51.486 -91.825,-51.994 -91.825,-52.301 -91.225,-52.901 -91.225,-53.437 -89.866,-54.795 -84.699,-54.795 -84.12,-55.374 -60.848,-55.374 -58.1,-58.123 -14.633,-58.123 -11.955,-60.801 -2.789,-60.801 -2.081,-61.508 8.856,-61.508 10.65,-63.302 21.162,-63.302 22.303,-64.443 33.134,-64.443 34.393,-65.702 43.821,-65.702 43.829,-65.711 45.176,-65.711 46.427,-66.961 57.125,-66.961 58.291,-68.128 69.415,-68.128 69.8,-68.512 69.8,-71.73 70.383,-72.314 71.526,-72.314 73.985,-74.772 73.985,-77.505 74.293,-77.812 74.727,-77.812 75.202,-77.338 v1(75.26,-77.338) 75.26,-77.444 75.997,-78.181 75.997,-89.073 v1(75.717,-89.352) ; v1(-75.717,89.352) -75.997,89.073 -75.997,78.181 -75.26,77.444 v1(-75.26,77.338) -75.202,77.338 -74.727,77.812 -74.293,77.812 -73.985,77.505 -73.985,74.772 -71.526,72.314 -70.383,72.314 -69.8,71.73 -69.8,68.512 -69.415,68.128 -58.291,68.128 -57.125,66.961 -46.427,66.961 -45.176,65.711 -43.829,65.711 -43.821,65.702 -34.393,65.702 -33.134,64.443 -22.303,64.443 -21.162,63.302 -10.65,63.302 -8.856,61.508 2.081,61.508 2.789,60.801 11.955,60.801 14.633,58.123 58.1,58.123 60.848,55.374 84.12,55.374 84.699,54.795 89.866,54.795 91.225,53.437 91.225,52.901 91.825,52.301 91.825,51.994 92.332,51.486 92.332,50.562 93.625,49.27 93.625,48.508 94.825,47.308 94.825,46.465 96.025,45.265 96.025,44.422 96.757,43.69 99.343,43.69 99.938,44.285 J7.41@101.95,44.285
  Bottom Layer w0.15: v1(-75.717,89.352) -75.459,89.094 R1_U_amp14.6@-75.459,88.455 ; v1(-75.26,77.338) -75.185,77.413 U1_U_amp14.5@-75.185,78.305 ; U1_U_amp14_1.5@75.185,-78.305 75.185,-77.413 v1(75.26,-77.338) ; R1_U_amp14_1.6@75.459,-88.455 75.459,-89.094 v1(75.717,-89.352)